# KiCad board Infernum HS.kicad_pcb (continued)
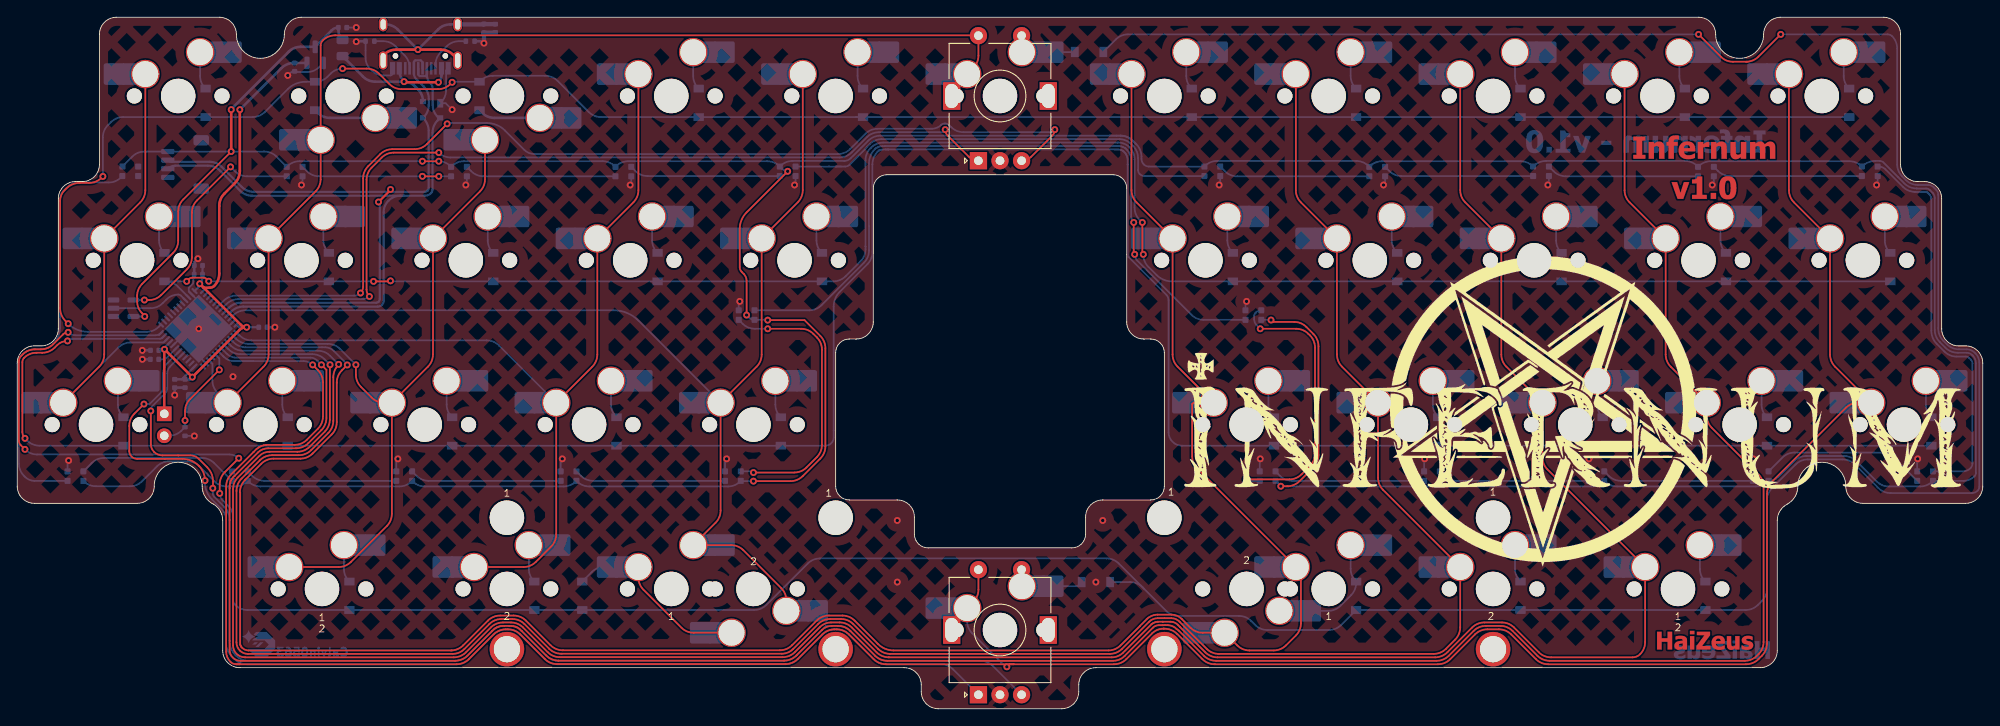
[diagram p0: board, top side]
## Routing (per net, layer and track width the routed paths; a pad name or vN(x,y) marks a point on that pad's centre or on a via; arc(x,y) is an arc through that point) (continued)
  Bottom w0.3: R_USB2.2 53.86,77.39 v1(54.09,77.16) ; C16.2 19.44,37.23 C18.2 v1(18.25,36.37) ; v1(14.49,41.55) 14.5,41.55 C17.2 ; C19.2 20.51,51.38 C21.2 20.52,51.75 v1(20.94,52.18) ; C22.2 v1(14.5,40.51) ; v1(39.29,77.34) 39.34,77.39 R_USB1.2 ; C20.2 29.86,44.23 v1(29.86,44.23)
  Bottom w0.5: C_Shield1.1 55.38,78.38 R_Shield1.2 v1(54.09,77.16)
  vias: v1(25,38.5) v1(102,21.83) v1(102,14.68) v1(125.02,14.68) v1(125.81,21.83)
GNDREF: length 25.2
  Top w0.3: USB1.13 42.41,75.74 42.49,75.83 arc(43.14,76.26) 43.9,76.41 49.09,76.41 arc(49.85,76.26) 50.5,75.83 51.05,75.28 USB1.13
  Bottom w0.3: USB1.13 50.19,79.34 arc(49.42,79.18) 48.77,78.75 v1(46.43,76.41) 44.1,78.75 arc(43.45,79.18) 42.68,79.34 USB1.13
  Bottom w0.5: USB1.13 54.03,79.34 R_Shield1.1 54.12,79.37 C_Shield1.2
VCC: length 19.2
  Top w0.3: v1(44.83,72.7) 44.9,72.63 v1(48.82,72.63)
  Bottom w0.3: USB1.2 44.28,74.04 arc(44.42,73.31) v1(44.83,72.7) ; USB1.11 49.18,73.5 arc(49.08,73.03) v1(48.82,72.63) ; F1.1 40.08,73.29 arc(40.72,72.85) 41.49,72.7 v1(44.83,72.7) ; v1(44.83,72.7) arc(45.51,72.57) 46.09,72.18 46.44,71.83 arc(46.87,71.18) 47.02,70.42 U4.4
BOOT0: length 12.9
  Top w0.2: v1(23.42,39.29) 20.03,35.91 arc(19.6,35.26) 19.45,34.49 v1(19.45,33.42)
  Bottom w0.2: SW5.2 17.61,31.65 arc(18.38,31.8) 19.03,32.24 R6.1 v1(19.45,33.42) ; v1(23.42,39.29) 23.42,40.61 U1.44
Col 0: length 56.9
  Top w0.2: MX22.1 9.49,39.66 arc(9.93,40.31) 10.08,41.07 MX12.1 14.26,58.71 arc(14.69,59.36) 14.84,60.12 MX1.1
  Bottom w0.2: MX22.1 11.72,41.88 arc(12.37,42.31) 13.13,42.47 16.91,42.47 arc(16.97,42.48) 17.02,42.51 U1.10
Col 1: length 133.1
  Top w0.2: MX6.1 110.82,74.3 arc(111.25,74.95) 111.4,75.72 SW1.S2 111.37,78.07 36.83,78.07 arc(36.06,77.92) 35.42,77.48 arc(35.23,77.2) 35.16,76.87 MX2.2 35.16,61.39 arc(35.01,60.63) 34.58,59.98 MX13.1 29.13,41.07 arc(28.98,40.31) 28.54,39.66 MX23.1
  Bottom w0.2: U1.46 22.62,39.99 22.62,38.06 arc(22.77,37.29) 23.21,36.64 MX23.1
Col 2: length 85.3
  Top w0.2: MX24.1 43.42,22.6 arc(43.27,21.83) 42.83,21.18 38.67,17.02 arc(38.02,16.58) 37.25,16.43 MX57.1 ; MX24.1 42.5,35.48 arc(41.73,35.63) 41.09,36.07 39.83,37.32 arc(39.4,37.97) 39.25,38.73 v1(39.25,39.88) ; MX24.1 47.59,39.66 arc(48.03,40.31) 48.18,41.07 MX14.1 53.63,59.98 arc(54.06,60.63) 54.21,61.39 MX3.2
  Bottom w0.2: 25.06,43.21 25.37,42.89 arc(26.02,42.46) 26.79,42.3 35.99,42.3 arc(36.76,42.15) 37.41,41.72 v1(39.25,39.88) ; 25.06,43.21 U1.38 ; 25.06,43.21 25.39,42.87
Col 3: length 108.8
  Top w0.2: MX55.1 58.68,16.43 arc(59.45,16.58) 60.1,17.02 61.88,18.8 arc(62.32,19.45) 62.47,20.22 MX25.1 66.64,39.66 arc(67.08,40.31) 67.23,41.07 MX15.1 71.41,58.71 arc(71.84,59.36) 71.99,60.12 MX4.1
  Bottom w0.2: MX25.1 55.83,42.12 arc(55.18,42.55) 54.42,42.7 27.14,42.7 arc(26.41,42.85) 25.8,43.26 25.55,43.51 arc(25.48,43.55) U1.37
Col 4: length 136
  Top w0.2: MX59.1 89.14,12.57 arc(88.99,13.33) 88.55,13.98 84.15,18.38 arc(83.5,18.82) 82.73,18.97 MX60.2 80.93,21.56 arc(81.37,22.21) 81.52,22.97 MX26.1 85.69,39.66 arc(86.13,40.31) 86.28,41.07 MX16.1 90.46,58.71 arc(90.89,59.36) 91.04,60.12 MX5.1
  Bottom w0.2: U1.34 24.7,45.28 25.03,45.61 arc(25.68,46.05) 26.45,46.2 69.11,46.2 arc(70.67,45.89) 71.99,45.01 MX26.1
Col 5: length 263.5
  Top w0.2: MX7.1 129.14,60.12 arc(129.3,59.36) 129.73,58.71 MX17.1 133.91,41.07 arc(134.06,40.31) 134.49,39.66 MX27.1 136.33,35.48 136.17,35.32 136.17,29.28 arc(136.33,28.51) 136.76,27.86 MX62.1 148.2,16.43 arc(148.63,15.78) 148.78,15.01 148.78,9.91 arc(148.63,9.15) 148.2,8.5 147.05,7.35 arc(146.4,6.91) 145.63,6.76 142.82,6.76 arc(142.05,6.91) 141.4,7.35 MX61.2 137.39,8.81 arc(136.63,8.96) 135.98,9.4 134.94,10.44 arc(134.41,10.79) 133.79,10.91 132.18,10.91 arc(131.49,10.77) 130.9,10.38 130.12,9.6 130.12,9.58 127.88,7.35 arc(127.23,6.91) 126.46,6.76 101.58,6.76 arc(100.6,6.95) 99.76,7.51 97.05,10.22 arc(96.41,10.65) 95.64,10.81 94.07,10.81 arc(93.3,10.65) 92.65,10.22 89.8,7.36 arc(89.15,6.93) 88.38,6.78 63.23,6.78 arc(62.46,6.93) 61.81,7.36 58.95,10.22 arc(58.31,10.65) 57.54,10.81 55.97,10.81 arc(55.2,10.65) 54.55,10.22 51.68,7.35 arc(51.03,6.91) 50.26,6.76 ; 50.39,6.76 26.81,6.76 arc(26.41,6.84) 26.08,7.06 25.99,7.15 25.95,7.2 25.88,7.33 25.84,7.47 25.84,25.07 25.81,25.1 arc(25.96,25.86) 26.4,26.51 28.29,28.41 arc(28.94,28.84) 29.71,29 32.81,29 arc(33.58,29.15) 34.23,29.58 36.45,31.8 arc(36.88,32.45) 37.03,33.22 37.03,37.81 arc(37.18,38.58) 37.62,39.23 v1(38.25,39.86)
  Bottom w0.2: v1(38.25,39.86) 38.25,39.92 36.67,41.5 arc(36.22,41.8) 35.69,41.9 26.49,41.9 arc(25.72,42.06) 25.07,42.49 U1.39
Col 6: length 278.4
  Top w0.2: MX8.1 148.19,60.12 arc(148.35,59.36) 148.78,58.71 MX18.1 152.96,41.07 arc(153.11,40.31) 153.54,39.66 MX28.1 157.72,26.78 arc(157.87,26.02) 158.3,25.37 MX56.1 167.24,9.43 arc(167.09,8.67) 166.66,8.02 165.59,6.95 arc(164.94,6.51) 164.17,6.36 139.28,6.36 arc(138.51,6.51) 137.86,6.95 134.7,10.11 arc(134.27,10.4) 133.76,10.5 132.95,10.5 arc(132.95,10.5) 132.95,10.5 132.18,10.5 arc(131.64,10.39) 131.18,10.08 128.04,6.95 arc(127.39,6.51) 126.63,6.36 101.18,6.36 arc(100.41,6.51) 99.76,6.95 96.89,9.82 arc(96.24,10.25) 95.47,10.41 94.23,10.41 arc(93.47,10.25) 92.82,9.82 89.92,6.92 arc(89.32,6.52) 88.61,6.38 63.06,6.38 arc(62.29,6.53) 61.65,6.96 58.79,9.82 arc(58.14,10.25) 57.37,10.41 56.13,10.41 arc(55.37,10.25) 54.72,9.82 51.82,6.92 arc(51.2,6.51) 50.46,6.36 26.73,6.36 arc(26.23,6.46) 25.8,6.75 arc(25.51,7.18) 25.41,7.68 25.41,25.27 arc(25.56,26.03) 26,26.68 28.13,28.81 arc(28.78,29.24) 29.54,29.4 32.65,29.4 arc(33.41,29.55) 34.06,29.98 36.05,31.97 arc(36.48,32.62) 36.63,33.38 36.63,38.44 arc(36.78,39.21) 37.22,39.86 37.25,39.89 v1(37.25,39.93)
  Bottom w0.2: v1(37.25,39.93) 36.26,40.92 arc(35.61,41.35) 34.85,41.5 26.18,41.5 arc(25.41,41.66) 24.77,42.09 U1.40
Col 7: length 304.8
  Top w0.2: 33.9,30.39 35.65,32.13 arc(36.08,32.78) 36.23,33.55 36.23,39.86 v1(36.25,39.88) ; MX9.1 167.24,60.12 arc(167.4,59.36) 167.83,58.71 MX19.1 172.01,41.07 arc(172.16,40.31) 172.59,39.66 MX29.1 176.77,29.17 arc(176.92,28.4) 177.35,27.75 MX58.1 188.67,7.73 arc(188.52,6.97) 188.09,6.32 arc(187.69,6.05) 187.22,5.96 177.77,5.96 arc(177,6.11) 176.35,6.55 173.48,9.42 arc(172.83,9.85) 172.07,10.01 170.04,10.01 arc(169.27,9.85) 168.63,9.42 165.75,6.55 arc(165.1,6.11) 164.34,5.96 139.11,5.96 arc(138.35,6.11) 137.7,6.55 134.5,9.75 arc(134.11,10) 133.66,10.09 132.78,10.09 arc(132.78,10.09) 132.77,10.09 132.18,10.09 131.92,10.04 131.67,9.93 131.47,9.8 131.47,9.8 128.16,6.5 arc(127.56,6.1) 126.86,5.96 101.02,5.96 101.02,5.96 arc(100.24,6.12) 99.59,6.56 96.72,9.42 arc(96.07,9.85) 95.31,10.01 94.33,10.01 arc(93.63,9.87) 93.03,9.47 90.14,6.58 arc(89.48,6.13) 88.7,5.98 62.89,5.98 arc(62.13,6.13) 61.48,6.56 58.62,9.42 arc(57.97,9.85) 57.21,10.01 56.3,10.01 arc(55.53,9.85) 54.88,9.42 52.01,6.55 arc(51.36,6.11) 50.59,5.96 26.41,5.96 arc(25.42,6.37) 25.01,7.36 25.01,25.47 arc(25.15,26.2) 25.57,26.82 28.06,29.31 arc(28.6,29.67) 29.24,29.8 32.48,29.8 arc(33.25,29.95) 33.9,30.38
  Bottom w0.2: U1.41 24.46,41.69 arc(25.11,41.26) 25.87,41.1 34.2,41.1 arc(34.97,40.95) 35.62,40.52 v1(36.25,39.88)
Col 8: length 316.8
  Top w0.2: 56.46,9.61 57.03,9.61 57.04,9.6 57.31,9.6 57.52,9.57 57.72,9.52 57.91,9.44 58.1,9.33 58.26,9.2 58.46,9.01 58.46,9.01 61.3,6.17 arc(61.96,5.73) 62.74,5.58 62.74,5.58 88.87,5.58 88.87,5.58 arc(89.65,5.73) 90.3,6.17 93.26,9.13 arc(93.79,9.48) 94.4,9.61 95.14,9.61 arc(95.91,9.45) 96.56,9.02 99.43,6.15 arc(100.08,5.71) 100.85,5.56 127.01,5.56 arc(127.73,5.7) 128.34,6.11 131.63,9.4 arc(131.95,9.61) 132.32,9.69 132.7,9.69 133.01,9.69 133.33,9.69 arc(133.88,9.58) 134.36,9.26 134.6,9.08 137.53,6.15 arc(138.18,5.71) 138.95,5.56 164.5,5.56 arc(165.27,5.71) 165.92,6.15 168.79,9.02 arc(169.44,9.45) 170.21,9.61 171.9,9.61 arc(172.67,9.45) 173.31,9.02 176.19,6.15 arc(176.84,5.71) 177.6,5.56 200.22,5.56 arc(200.99,5.71) 201.64,6.15 201.82,6.33 arc(202.25,6.98) 202.4,7.74 202.4,25.73 arc(202.25,26.5) 201.82,27.15 196.4,32.56 arc(195.97,33.21) 195.82,33.98 MX30.1 191.64,39.66 arc(191.21,40.31) 191.06,41.07 MX20.1 186.88,58.71 arc(186.45,59.36) 186.29,60.12 MX10.1 ; 56.46,9.6 56.2,9.6 55.99,9.57 55.78,9.52 55.59,9.44 55.41,9.33 55.24,9.2 55.05,9.01 55.04,9.01 52.18,6.16 arc(51.53,5.72) 50.75,5.56 50.75,5.56 25.87,5.56 arc(24.98,5.93) 24.61,6.82 24.61,25.59 24.61,25.59 24.62,25.86 24.64,26.07 24.7,26.28 24.78,26.47 24.88,26.65 25.01,26.82 25.2,27.01 25.2,27.02 27.89,29.71 arc(28.43,30.07) 29.07,30.2 32.32,30.2 arc(33.08,30.35) 33.73,30.78 35.25,32.3 arc(35.68,32.95) 35.83,33.71 35.83,39.29 v1(35.25,39.87)
  Bottom w0.2: U1.42 24.3,41.14 arc(24.78,40.82) 25.36,40.7 34,40.7 arc(34.39,40.63) 34.72,40.4 v1(35.25,39.87)
Col 9: length 338.2
  Top w0.2: 25.8,5.16 25.37,5.16 ; 25.8,5.16 25.37,5.16 ; 25.8,5.16 50.93,5.16 arc(51.69,5.31) 52.34,5.75 55.21,8.62 arc(55.86,9.05) 56.63,9.21 56.88,9.21 arc(57.64,9.05) 58.29,8.62 61.15,5.76 arc(61.8,5.33) 62.56,5.18 89.04,5.18 arc(89.81,5.33) 90.46,5.76 93.31,8.62 arc(93.96,9.05) 94.73,9.21 94.98,9.21 arc(95.74,9.05) 96.39,8.62 99.27,5.75 arc(99.92,5.31) 100.68,5.16 115.49,5.16 ; 25.37,5.16 arc(25.01,5.23) 24.71,5.43 arc(24.34,5.99) 24.21,6.64 24.21,25.76 arc(24.36,26.53) 24.8,27.18 27.38,29.77 27.38,29.77 27.73,30.11 27.99,30.3 28.28,30.45 28.59,30.55 28.85,30.59 28.85,30.6 32.15,30.6 arc(32.91,30.75) 33.56,31.18 34.85,32.46 arc(35.28,33.11) 35.43,33.88 35.43,37.85 arc(35.28,38.61) 34.85,39.26 v1(34.24,39.87) ; 115.49,5.16 115,5.16 v1(114.7,4.86) ; 115.49,5.16 127.13,5.16 arc(127.89,5.31) 128.54,5.75 131.53,8.74 arc(132.14,9.14) 132.85,9.28 132.95,9.28 ; MX11.1 205.34,60.12 arc(205.5,59.36) 205.93,58.71 MX21.1 210.11,41.07 arc(210.26,40.31) 210.69,39.66 MX31.1 213.36,35.48 arc(212.6,35.33) 211.95,34.89 203.39,26.33 arc(202.96,25.69) 202.8,24.92 202.8,7.58 arc(202.65,6.81) 202.22,6.16 201.8,5.75 arc(201.15,5.31) 200.39,5.16 177.44,5.16 arc(176.67,5.31) 176.02,5.75 173.15,8.62 arc(172.5,9.05) 171.73,9.21 170.37,9.21 arc(169.61,9.05) 168.96,8.62 166.08,5.75 arc(165.43,5.31) 164.67,5.16 138.78,5.16 arc(138.02,5.31) 137.37,5.75 134.45,8.66 arc(133.76,9.12) 132.95,9.28 ; SW2.S2 111.4,13.81 arc(111.25,13.04) 110.82,12.39 MX35.1
  Bottom w0.2: v1(114.7,4.86) 114.57,4.86 110.68,8.75 arc(110.25,9.4) 110.09,10.16 MX35.1 ; 27.38,40.3 33.19,40.3 arc(33.76,40.19) v1(34.24,39.87) ; 27.38,40.3 25.26,40.3 ; 27.38,40.3 25.14,40.3 arc(24.49,40.43) 23.94,40.8 23.85,40.89 arc(23.85,40.89) 23.84,40.89 U1.43
D+: length 82.5
  Bottom w0.25: 44.85,59.48 47.24,59.48 arc(47.63,59.56) 47.97,59.78 arc(48.09,59.96) 48.13,60.18 48.13,66.79 arc(48.29,67.55) 48.72,68.2 U4.2 48.85,68.5 48.73,68.62 arc(48.3,69.27) 48.15,70.03 48.15,71.87 arc(48.07,72.24) 47.86,72.56 arc(47.58,72.98) 47.48,73.49 USB1.8 47.48,73.52 47.3,73.34 46.65,73.34 46.48,73.52 USB1.6 ; 44.85,59.48 27.23,59.48 arc(26.47,59.63) 25.82,60.06 23.5,62.38 arc(22.85,62.81) 22.09,62.96 18.32,62.96 arc(17.85,62.87) J2.3 ; 44.85,59.48 44.43,59.48 arc(43.67,59.33) 43.02,58.89 arc(42.61,58.28) 42.47,57.56 42.47,47.27 arc(42.42,47.04) 42.28,46.83 arc(42.05,46.68) 41.77,46.62 26.2,46.62 arc(25.43,46.47) 24.79,46.04 U1.33
D-: length 81.6
  Top w0.25: v1(41.87,58.75) 43.22,60.1 arc(43.25,60.15) v1(43.26,60.2)
  Bottom w0.25: 47.61,60.14 47.53,60.06 arc(47.38,59.96) 47.21,59.93 43.26,59.93 ; 43.26,59.93 v1(43.26,60.2) ; 43.26,59.93 27.42,59.93 arc(26.65,60.08) 26,60.51 23.69,62.83 arc(23.04,63.26) 22.28,63.41 17.9,63.41 arc(17.66,63.46) J2.2 ; U1.32 24.53,46.49 arc(25.18,46.92) 25.94,47.07 41.62,47.07 arc(41.76,47.1) 41.87,47.18 arc(41.98,47.34) 42.02,47.52 42.02,58.4 arc(41.98,58.59) v1(41.87,58.75) ; USB1.7 46.98,74.97 46.78,75.17 46.13,75.17 45.98,75.02 USB1.5 45.98,73.63 arc(46.04,73.3) 46.23,73.01 47.11,72.13 arc(47.54,71.48) 47.7,70.72 47.7,70.01 arc(47.54,69.24) 47.11,68.59 U4.3 47.1,68.43 arc(47.53,67.78) 47.68,67.01 47.68,60.4 arc(47.65,60.21) 47.54,60.05
enc1A: length 106.8
  Top w0.2: v1(48.86,64.48) 43.64,64.48 arc(42.88,64.32) 42.23,63.89 41.07,62.73 arc(40.64,62.08) 40.48,61.32 40.48,48.59 arc(40.57,48.16) v1(40.81,47.8) ; SW1.A arc(110.8,63.66) 110.28,64.01 107.84,66.45 arc(107.63,66.76) v1(107.55,67.14)
  Bottom w0.2: v1(107.55,67.14) 107.55,67.07 107.32,66.84 99.88,66.84 arc(99.11,66.69) 98.47,66.25 96.71,64.5 arc(96.06,64.06) 95.29,63.91 50.22,63.91 arc(49.48,64.06) v1(48.86,64.48) ; U1.31 24.25,46.91 arc(24.9,47.35) 25.66,47.5 40.09,47.5 arc(40.48,47.58) v1(40.81,47.8)
enc1B: length 121.8
  Top w0.2: v1(49.82,67.81) 47.48,65.46 arc(46.83,65.03) 46.06,64.88 43.48,64.88 arc(42.71,64.72) 42.06,64.29 40.67,62.9 arc(40.24,62.25) 40.08,61.48 40.08,48.92 arc(40.01,48.53) v1(39.78,48.2) ; v1(120.25,67.14) arc(120.18,66.76) 119.97,66.45 117.52,64.01 arc(117.01,63.66) SW1.B
  Bottom w0.2: v1(49.82,67.81) 49.93,67.91 54.4,67.91 arc(55.56,67.68) 56.54,67.03 58.78,64.79 arc(59.31,64.43) 59.93,64.31 95.13,64.31 arc(95.89,64.46) 96.54,64.9 98.3,66.65 arc(98.95,67.09) 99.71,67.24 106.01,67.24 arc(106.59,67.35) 107.07,67.68 arc(107.25,67.8) 107.46,67.84 107.58,67.84 arc(107.82,67.79) 108.03,67.65 108.26,67.43 arc(108.91,66.99) 109.67,66.84 119.95,66.84 v1(120.25,67.14) ; U1.30 23.94,47.31 arc(24.59,47.75) 25.35,47.9 39.06,47.9 arc(39.45,47.98) v1(39.78,48.2)
enc2A: length 140.4
  Top w0.2: v1(14.68,35.32) 13.57,34.21 arc(13.14,33.56) 12.98,32.79 12.98,29.88 arc(13.25,29.24) 13.89,28.97 17.1,28.97 17.1,28.97 19.12,28.97 arc(20.16,28.77) 21.03,28.18 21.06,28.16 arc(21.58,27.37) v1(21.76,26.45)
  Bottom w0.2: U1.6 17.46,40.12 arc(17.03,39.48) 16.88,38.73 16.88,37.1 arc(16.84,36.9) 16.72,36.72 16.72,36.72 15.4,35.4 arc(15.31,35.34) 15.21,35.32 v1(14.68,35.32) ; SW2.A 108.46,4.57 arc(107.81,5.01) 107.04,5.16 100.68,5.16 arc(99.92,5.31) 99.27,5.75 96.39,8.62 arc(95.74,9.05) 94.98,9.21 94.73,9.21 arc(93.96,9.05) 93.31,8.62 90.44,5.75 arc(89.79,5.31) 89.03,5.16 62.58,5.16 arc(61.82,5.31) 61.17,5.75 58.29,8.62 arc(57.64,9.05) 56.88,9.21 56.63,9.21 arc(55.86,9.05) 55.21,8.62 52.34,5.75 arc(51.69,5.31) 50.93,5.16 26.63,5.16 arc(25.86,5.31) 25.21,5.75 24.8,6.16 arc(24.36,6.81) 24.21,7.58 24.21,21.79 arc(24.06,22.56) 23.62,23.21 22.55,24.28 arc(21.97,25.15) 21.76,26.18 v1(21.76,26.45)
enc2B: length 141.4
  Top w0.2: v1(15.48,34.53) 15.48,30.7 arc(15.58,30.2) 15.86,29.77 arc(16.31,29.48) 16.83,29.37 18.65,29.37 18.66,29.37 20.06,29.37 arc(20.59,29.27) 21.03,28.97 22,28 arc(22.51,27.24) 22.69,26.34 22.69,25.64 arc(22.68,25.6) v1(22.66,25.56)
  Bottom w0.2: v1(22.66,25.56) 22.66,25 arc(22.71,24.76) 22.84,24.55 24,23.4 arc(24.45,22.72) 24.61,21.92 24.61,7.87 arc(24.79,6.99) 25.29,6.24 25.38,6.15 arc(26.03,5.71) 26.79,5.56 50.66,5.56 arc(51.52,5.73) 52.24,6.22 55.1,9.07 arc(55.69,9.47) 56.39,9.61 57.11,9.61 arc(57.81,9.47) 58.41,9.07 61.37,6.1 arc(61.98,5.7) 62.69,5.56 88.84,5.56 arc(89.62,5.72) 90.29,6.16 93.73,9.61 95.14,9.61 arc(95.91,9.45) 96.56,9.02 99.43,6.15 arc(100.08,5.71) 100.85,5.56 111.64,5.56 arc(112.41,5.41) 113.06,4.97 SW2.B ; v1(15.48,34.53) 15.48,34.62 arc(15.53,34.89) 15.68,35.12 17.13,36.56 arc(17.32,36.85) 17.38,37.18 17.38,38.89 arc(17.47,39.31) 17.7,39.66 U1.5
NRST: length 2.6
  Bottom w0.2: U1.7 17.14,40.51 C22.1
RGB: length 28.3
  Top w0.2: v1(24.72,62.82) 20.83,58.93 arc(20.39,58.28) 20.24,57.51 20.24,52.36 arc(20.09,51.59) 19.65,50.94 16.68,47.97 arc(16.03,47.54) 15.27,47.39 v1(14.74,47.39)
  Bottom w0.2: D47.3 26.64,61.73 arc(25.88,61.88) 25.23,62.31 v1(24.72,62.82) ; U5.4 14.74,47.38 v1(14.74,47.39)
RGBLED: length 9.1
  Bottom w0.2: U1.21 18.94,47.92 arc(18.82,48) 18.69,48.02 arc(17.92,47.87) 17.27,47.44 16.86,47.02 arc(16.21,46.59) 15.44,46.43 U5.2
Row 0: length 246.2
  Top w0.2: v1(9.92,61.71) 9.76,61.55 arc(9.11,61.12) 8.35,60.97 7.24,60.97 arc(6.4,60.8) 5.69,60.32 5.46,60.1 arc(5.1,59.55) 4.97,58.91 4.97,46.43 arc(5.12,45.65) 5.57,44.98 v1(5.91,44.64) ; v1(50.4,72.63) 50.2,72.42 arc(49.55,71.99) 48.78,71.83 44.55,71.83 arc(43.78,71.99) 43.14,72.42 41.93,73.63 arc(41.28,74.06) 40.51,74.22 v1(37.7,74.22)
  Bottom w0.2: D11.1 D7.1 97.23,68.6 ; 97.23,68.6 D4.1 67.65,68.6 arc(66.88,68.75) 66.23,69.18 62.62,72.8 arc(61.97,73.23) 61.2,73.38 55.1,73.38 arc(54.34,73.23) 53.69,72.8 D3.1 50.47,72.69 v1(50.4,72.63) ; 97.23,68.6 D5.1 ; v1(9.92,61.71) 9.92,66.24 arc(10.07,67.01) 10.51,67.66 10.86,68.01 arc(11.51,68.44) 12.28,68.6 D1.1 27.29,68.6 arc(28.05,68.75) 28.7,69.18 31.35,71.83 arc(32.3,72.47) 33.42,72.69 D2.1 34.56,72.69 arc(35.32,72.84) 35.97,73.28 36.35,73.65 arc(36.97,74.07) v1(37.7,74.22) ; U1.13 16.4,44.28 arc(15.75,43.85) 14.99,43.7 8.19,43.7 arc(6.96,43.94) v1(5.91,44.64)
Row 1: length 230.2
  Top w0.2: v1(22.2,49.57) 21.91,49.85 arc(21.78,49.94) 21.62,49.97 20.24,49.97 arc(20.07,49.94) 19.93,49.84 v1(19.64,49.55) ; v1(41.29,49.55) 41.67,49.55 41.67,49.55 43.2,49.55 v1(43.26,49.61) ; v1(130.51,52.68) 130.4,52.79 v1(130.4,56.38)
  Bottom w0.2: v1(41.29,49.55) 41.29,49.55 D13.1 22.21,49.55 v1(22.2,49.57) ; v1(43.26,49.61) 43.32,49.55 D14.1 D16.1 94.58,49.55 arc(95.35,49.7) 95.99,50.13 97.73,51.87 arc(98.17,52.52) 98.32,53.28 98.32,53.58 98.31,53.58 98.31,63.58 arc(98.47,64.34) 98.9,64.99 98.96,65.05 arc(99.61,65.49) 100.38,65.64 127.53,65.64 127.54,65.64 127.61,65.64 arc(128.32,65.5) 128.92,65.1 arc(129.35,64.45) 129.5,63.68 129.5,58.1 arc(129.65,57.33) 130.09,56.68 130.39,56.38 v1(130.4,56.38) ; v1(19.64,49.55) 19.63,49.55 18.63,49.55 18.63,49.55 D12.1 17.19,49.55 arc(17.95,49.39) 18.6,48.96 U1.22 ; v1(130.51,52.68) 130.51,52.65 arc(130.66,51.89) 131.1,51.24 132.05,50.29 arc(132.87,49.74) 133.84,49.55 D17.1 D21.1
Row 2: length 312.3
  Top w0.2: 4.33,41.86 4.61,42.14 arc(5.17,42.51) v1(5.82,42.64) ; 4.32,41.86 arc(3.67,41.42) 2.91,41.27 2.21,41.27 arc(1.45,41.12) 0.8,40.69 arc(0.65,40.46) 0.59,40.18 0.59,32.08 arc(0.67,31.69) v1(0.89,31.35)
  Bottom w0.2: U1.11 16.81,43.01 arc(16.68,42.92) 16.53,42.9 9.92,42.9 ; v1(0.89,31.35) 1.16,31.08 arc(1.81,30.65) 2.58,30.5 D22.1 D23.1 D25.1 D26.1 93.66,30.5 arc(94.35,30.78) 94.63,31.46 94.63,32.27 arc(94.63,32.27) 94.63,32.27 94.63,46.63 arc(94.81,47.56) 95.34,48.34 98.53,51.54 arc(98.97,52.19) 99.12,52.95 99.12,57.55 99.11,57.55 99.11,63.1 arc(99.27,63.9) 99.72,64.58 99.83,64.68 99.87,64.72 99.99,64.77 100.14,64.81 100.3,64.83 100.63,64.84 100.95,64.84 arc(100.95,64.84) 100.96,64.84 ; 128.51,64.28 128.6,64.1 128.66,63.91 128.69,63.71 128.69,63.11 128.7,63.1 128.7,52.63 arc(128.73,52.49) 128.81,52.37 133.19,47.99 arc(133.37,47.71) 133.44,47.39 133.44,32.06 arc(133.89,30.95) 135,30.5 D27.1 D28.1 D31.1 ; 128.51,64.28 128.39,64.44 128.29,64.55 128.2,64.64 128.15,64.68 128.01,64.75 127.85,64.8 127.68,64.83 127.43,64.84 127.22,64.84 127.22,64.84 100.96,64.84 ; 128.51,64.28 128.52,64.27 ; 9.92,42.9 6.32,42.9 ; 9.92,42.9 6.43,42.9 arc(6.1,42.83) v1(5.82,42.64) ; 100.71,64.84 100.96,64.84
Row 3: length 453.7
  Top w0.2: v1(23.46,24.97) 23.46,26.01 arc(23.62,26.77) 24.05,27.42 v1(25.67,29.04) ; v1(204.39,78.18) 201.8,75.6 arc(201.15,75.16) 200.39,75.01 ; v1(0.89,30.07) 0.89,30.07 0.4,30.56 arc(0.25,30.79) 0.19,31.05 0.19,40.33 arc(0.25,40.62) 0.41,40.86 0.63,41.09 arc(1.28,41.52) 2.05,41.67 2.74,41.67 arc(3.51,41.82) 4.16,42.26 5.29,43.39 arc(5.57,43.58) v1(5.9,43.64) ; v1(194.87,78.18) 197.48,75.57 arc(198.1,75.16) 198.83,75.01 200.53,75.01
  Bottom w0.2: v1(194.87,78.18) 128.74,78.18 arc(127.97,78.03) 127.32,77.6 D6.1 ; v1(0.89,30.07) 0.9,30.06 arc(1.55,29.63) 2.31,29.48 24.62,29.48 arc(25.19,29.36) v1(25.67,29.04) ; 130.59,13.91 127.67,16.84 arc(127.02,17.28) 126.25,17.43 93.04,17.43 arc(92.28,17.28) 91.63,16.84 86.82,12.03 arc(86.17,11.6) 85.4,11.45 D34.1 D32.1 26.69,11.45 arc(25.92,11.6) 25.27,12.03 arc(25.08,12.33) 25.01,12.67 25.01,22.23 arc(24.88,22.9) 24.49,23.47 23.8,24.17 arc(23.55,24.53) v1(23.46,24.97) ; 130.59,13.91 130.41,14.1 arc(129.76,14.53) 128.99,14.68 D35.1 ; 130.59,13.91 133.16,11.35 arc(133.81,10.91) 134.58,10.76 141.6,10.76 arc(142.37,10.61) 143.02,10.17 143.48,9.71 arc(144.13,9.28) 144.89,9.13 152.03,9.13 arc(152.8,9.28) 153.45,9.71 D36.1 D38.1 200.32,11.45 arc(201.09,11.6) 201.74,12.03 202.22,12.51 arc(202.65,13.16) 202.8,13.93 202.8,24.17 arc(202.96,24.94) 203.39,25.59 206.12,28.32 arc(206.77,28.75) 207.53,28.9 211.57,28.9 arc(212.33,28.75) 212.98,28.32 215.71,25.59 arc(216.36,25.16) 217.13,25 226.54,25 arc(226.91,25.08) 227.22,25.29 arc(227.36,25.5) 227.41,25.74 227.41,40.14 arc(227.3,40.71) 226.98,41.19 226.88,41.28 arc(226.45,41.57) 225.94,41.67 225.06,41.67 arc(224.3,41.82) 223.65,42.26 223.23,42.67 arc(222.8,43.32) 222.65,44.09 222.65,59.61 arc(222.59,59.9) 222.42,60.16 222.14,60.43 arc(221.82,60.65) 221.45,60.72 220.3,60.72 arc(219.53,60.87) 218.89,61.31 218.47,61.72 arc(218.04,62.37) 217.88,63.14 217.88,76.56 arc(217.73,77.33) 217.3,77.98 arc(217.07,78.13) 216.8,78.18 v1(204.39,78.18) ; U1.12 arc(16.36,43.37) 16,43.3 6.73,43.3 arc(6.28,43.39) v1(5.9,43.64)
Net-(D1-A): length 4.4
  Bottom w0.2: MX1.2 21.19,73.36 arc(21.35,72.59) 21.78,71.95 D1.2
Net-(D2-A): length 7.3
  Bottom w0.3: 34.53,69.39 34.83,69.09 arc(35.48,68.65) 36.25,68.5 MX2.1
Net-(D3-A): length 7.3
  Bottom w0.3: 53.58,69.39 53.88,69.09 arc(54.53,68.65) 55.3,68.5 MX3.1
Net-(D4-A): length 4.4
  Bottom w0.2: D4.2 78.93,71.95 arc(78.5,72.59) 78.34,73.36 MX4.2
Net-(D5-A): length 4.4
  Bottom w0.2: MX5.2 97.39,73.36 arc(97.55,72.59) 97.98,71.95 D5.2
Net-(D6-A): length 8.1
  Bottom w0.2: D6.2 122.55,76.12 MX6.2 116.4,76.16 SW1.S1
Net-(D7-A): length 4.4
  Bottom w0.2: D7.2 136.08,71.95 arc(135.65,72.59) 135.49,73.36 MX7.2
Net-(D8-A): length 4.4
  Bottom w0.2: MX8.2 154.54,73.36 arc(154.7,72.59) 155.13,71.95 D8.2
Net-(D9-A): length 4.4
  Bottom w0.2: MX9.2 173.59,73.36 arc(173.75,72.59) 174.18,71.95 D9.2
Net-(D10-A): length 4.4
  Bottom w0.2: MX10.2 192.64,73.36 arc(192.8,72.59) 193.23,71.95 D10.2
Net-(D11-A): length 4.4
  Bottom w0.2: D11.2 212.28,71.95 arc(211.85,72.59) 211.69,73.36 MX11.2
Net-(D12-A): length 4.4
  Bottom w0.2: D12.2 17.02,52.9 arc(16.58,53.54) 16.43,54.31 MX12.2
Net-(D13-A): length 4.4
  Bottom w0.2: MX13.2 35.48,54.31 arc(35.63,53.54) 36.07,52.9 D13.2
Net-(D14-A): length 4.4
  Bottom w0.2: D14.2 55.12,52.9 arc(54.68,53.54) 54.53,54.31 MX14.2
Net-(D15-A): length 4.4
  Bottom w0.2: D15.2 74.17,52.9 arc(73.73,53.54) 73.58,54.31 MX15.2
Net-(D16-A): length 4.4
  Bottom w0.2: D16.2 93.22,52.9 arc(92.78,53.54) 92.63,54.31 MX16.2
Net-(D17-A): length 4.4
  Bottom w0.2: D17.2 140.84,52.9 arc(140.41,53.54) 140.26,54.31 MX17.2
Net-(D18-A): length 4.4
  Bottom w0.2: D18.2 159.89,52.9 arc(159.46,53.54) 159.31,54.31 MX18.2
Net-(D19-A): length 4.4
  Bottom w0.2: MX19.2 178.36,54.31 arc(178.51,53.54) 178.94,52.9 D19.2
Net-(D20-A): length 4.4
  Bottom w0.2: MX20.2 197.41,54.31 arc(197.56,53.54) 197.99,52.9 D20.2
Net-(D21-A): length 4.4
  Bottom w0.2: D21.2 217.04,52.9 arc(216.61,53.54) 216.46,54.31 MX21.2
Net-(D22-A): length 4.4
  Bottom w0.2: MX22.2 11.67,35.26 arc(11.82,34.49) 12.25,33.85 D22.2
Net-(D23-A): length 4.4
  Bottom w0.2: MX23.2 30.72,35.26 arc(30.87,34.49) 31.3,33.85 D23.2
Net-(D24-A): length 4.4
  Bottom w0.2: D24.2 50.35,33.85 arc(49.92,34.49) 49.77,35.26 MX24.2
Net-(D25-A): length 4.4
  Bottom w0.2: D25.2 69.4,33.85 arc(68.97,34.49) 68.82,35.26 MX25.2
Net-(D26-A): length 4.4
  Bottom w0.2: MX26.2 87.87,35.26 arc(88.02,34.49) 88.45,33.85 D26.2
Net-(D27-A): length 4.4
  Bottom w0.2: MX27.2 145.02,35.26 arc(145.17,34.49) 145.6,33.85 D27.2
Net-(D28-A): length 4.4
  Bottom w0.2: D28.2 164.65,33.85 arc(164.22,34.49) 164.07,35.26 MX28.2
Net-(D29-A): length 4.4
  Bottom w0.2: MX29.2 183.12,35.26 arc(183.27,34.49) 183.7,33.85 D29.2
Net-(D30-A): length 4.4
  Bottom w0.2: D30.2 202.75,33.85 arc(202.32,34.49) 202.17,35.26 MX30.2
Net-(D31-A): length 4.4
  Bottom w0.2: MX31.2 221.22,35.26 arc(221.37,34.49) 221.8,33.85 D31.2
Net-(D32-A): length 4.4
  Bottom w0.2: D32.2 38.45,14.8 arc(38.01,15.44) 37.86,16.21 MX57.2
Net-(D33-A): length 4.4
  Bottom w0.2: MX55.2 59.29,16.21 arc(59.45,15.44) 59.88,14.8 D33.2
Net-(D34-A): length 22.1
  Top w0.2: MX60.1 71.99,15.21 arc(72.15,14.45) 72.58,13.8 76.98,9.4 arc(77.63,8.96) 78.4,8.81 MX59.2
  Bottom w0.2: MX60.1 68,16.43 arc(67.23,16.28) 66.58,15.84 D34.2
Net-(D35-A): length 7.2
  Bottom w0.2: 123.43,14.75 122.89,14.21 MX35.2
Net-(D36-A): length 15.1
  Bottom w0.2: MX61.1 151.95,11.35 arc(152.71,11.5) 153.36,11.94 154.59,13.17 arc(155.03,13.81) 155.18,14.58 D36.2 155.13,14.8 arc(154.7,15.44) 154.54,16.21 MX62.2
Net-(D37-A): length 4.4
  Bottom w0.2: MX56.2 173.59,16.21 arc(173.75,15.44) 174.18,14.8 D37.2
Net-(D38-A): length 4.4
  Bottom w0.2: D38.2 195.61,14.8 arc(195.18,15.44) 195.02,16.21 MX58.2
Net-(D39-DIN): length 17.6
  Top w0.2: v1(48.86,61.73) v1(46.96,61.73)
  Bottom w0.2: D39.3 48.86,61.73 v1(48.86,61.73) ; v1(46.96,61.73) 34.99,61.73 arc(34.22,61.88) 33.58,62.31 D47.1
Net-(D39-DOUT): length 17.6
  Bottom w0.2: D50.3 54.04,61.73 arc(53.27,61.88) 52.63,62.31 D39.1
Net-(D40-DIN): length 17.6
  Bottom w0.2: D50.1 71.64,62.35 arc(72.29,61.91) 73.06,61.76 D40.3
Net-(D40-DOUT): length 52.2
  Bottom w0.2: D41.3 130.66,61.76 arc(130.35,61.82) 130.09,62 arc(129.95,62.21) 129.9,62.45 129.9,63.85 arc(129.75,64.61) 129.32,65.26 129.12,65.45 arc(128.47,65.89) 127.71,66.04 100.21,66.04 arc(99.45,65.89) 98.8,65.45 98.5,65.16 ; 94.85,62.86 95.95,62.86 arc(96.23,62.92) 96.47,63.07 98.31,64.91 98.49,65.15 ; 94.85,62.86 95.5,62.86 ; 94.85,62.86 D40.1
Net-(D41-DOUT): length 17.7
  Bottom w0.2: D41.1 139.97,62.31 arc(140.62,61.88) 141.38,61.73 D55.3
Net-(D42-DIN): length 17.5
  Bottom w0.2: D42.3 160.43,61.76 arc(159.67,61.91) 159.02,62.35 158.54,62.83
Net-(D42-DOUT): length 17.7
  Bottom w0.2: 194.81,61.73 179.48,61.73 arc(178.72,61.88) 178.07,62.31 D42.1
Net-(D43-DIN): length 17.5
  Bottom w0.2: D43.3 198.53,61.76 arc(197.77,61.91) 197.12,62.35 D56.1
Net-(D43-DOUT): length 46.6
  Bottom w0.2: D44.3 225.51,27.52 arc(225.98,27.62) 226.38,27.88 arc(226.55,28.13) 226.61,28.43 226.61,40.01 arc(226.56,40.27) 226.42,40.48 226.2,40.69 arc(226.05,40.79) 225.87,40.83 224.76,40.83 arc(224.01,40.98) 223.36,41.41 222.49,42.29 arc(222.01,43) 221.85,43.83 221.85,59.13 arc(221.8,59.38) 221.66,59.59 221.43,59.82 221.42,59.83 221.37,59.87 221.33,59.89 221.27,59.91 219.86,59.91 ; D43.1 215.75,62.86 arc(216.17,62.78) 216.52,62.54 218.55,60.51 arc(219.2,60.07) 219.97,59.92
Net-(D44-DOUT): length 19.3
  Bottom w0.2: D44.1 217.51,29.12 arc(216.86,29.55) 216.1,29.7 206,29.7 arc(205.23,29.55) 204.58,29.12 D60.3
Net-(D45-DIN): length 33.8
  Top w0.2: v1(144.07,44.05) 148.23,44.05 arc(148.99,43.9) 149.64,43.47 149.83,43.28 arc(150.26,42.63) 150.42,41.87 150.42,29.57 arc(150.26,28.81) 149.83,28.16 148.85,27.18 arc(148.2,26.74) 147.43,26.59 v1(142.48,26.59)
  Bottom w0.2: v1(144.07,44.05) 143.65,44.46 arc(143.44,44.79) 143.36,45.18 143.36,45.51 arc(143.4,45.73) 143.52,45.91 143.54,45.92 arc(143.84,46.12) D45.3 ; v1(142.48,26.59) 142.65,26.42 D48.1
Net-(D45-DOUT): length 86.3
  Top w0.2: v1(129.4,56.38) 129.4,52.79 v1(129.51,52.68)
  Bottom w0.2: 100.54,65.24 100.28,65.23 100.07,65.21 99.86,65.15 99.67,65.07 99.49,64.97 99.47,64.96 99.41,64.89 arc(98.9,64.12) 98.71,63.2 98.71,55.97 98.72,55.96 98.72,53.12 arc(98.57,52.35) 98.13,51.71 93.2,46.78 arc(92.56,46.34) 91.79,46.19 D49.3 ; D45.1 137.46,45.09 arc(136.74,45.23) 136.13,45.64 129.81,51.96 arc(129.59,52.29) v1(129.51,52.68) ; 100.54,65.24 127.38,65.24 arc(127.38,65.24) 127.39,65.24 127.43,65.24 127.72,65.23 127.95,65.2 128.16,65.12 128.36,65.02 128.45,64.96 128.61,64.8 arc(128.97,64.26) 129.1,63.61 129.1,57.1 arc(129.18,56.71) v1(129.4,56.38)
